# Altium PCB robot.PcbDoc (part 8 of 13)
Units mm, origin at the board's own origin, x right, y up, seen from the top; angles counter-clockwise.
Board outline 97 x 68 mm, 2 copper layers (Top Layer, Bottom Layer); 163 components, 156 nets, 23258 pads, 60 vias.
Unrouted connection lines stored in the file: 298.
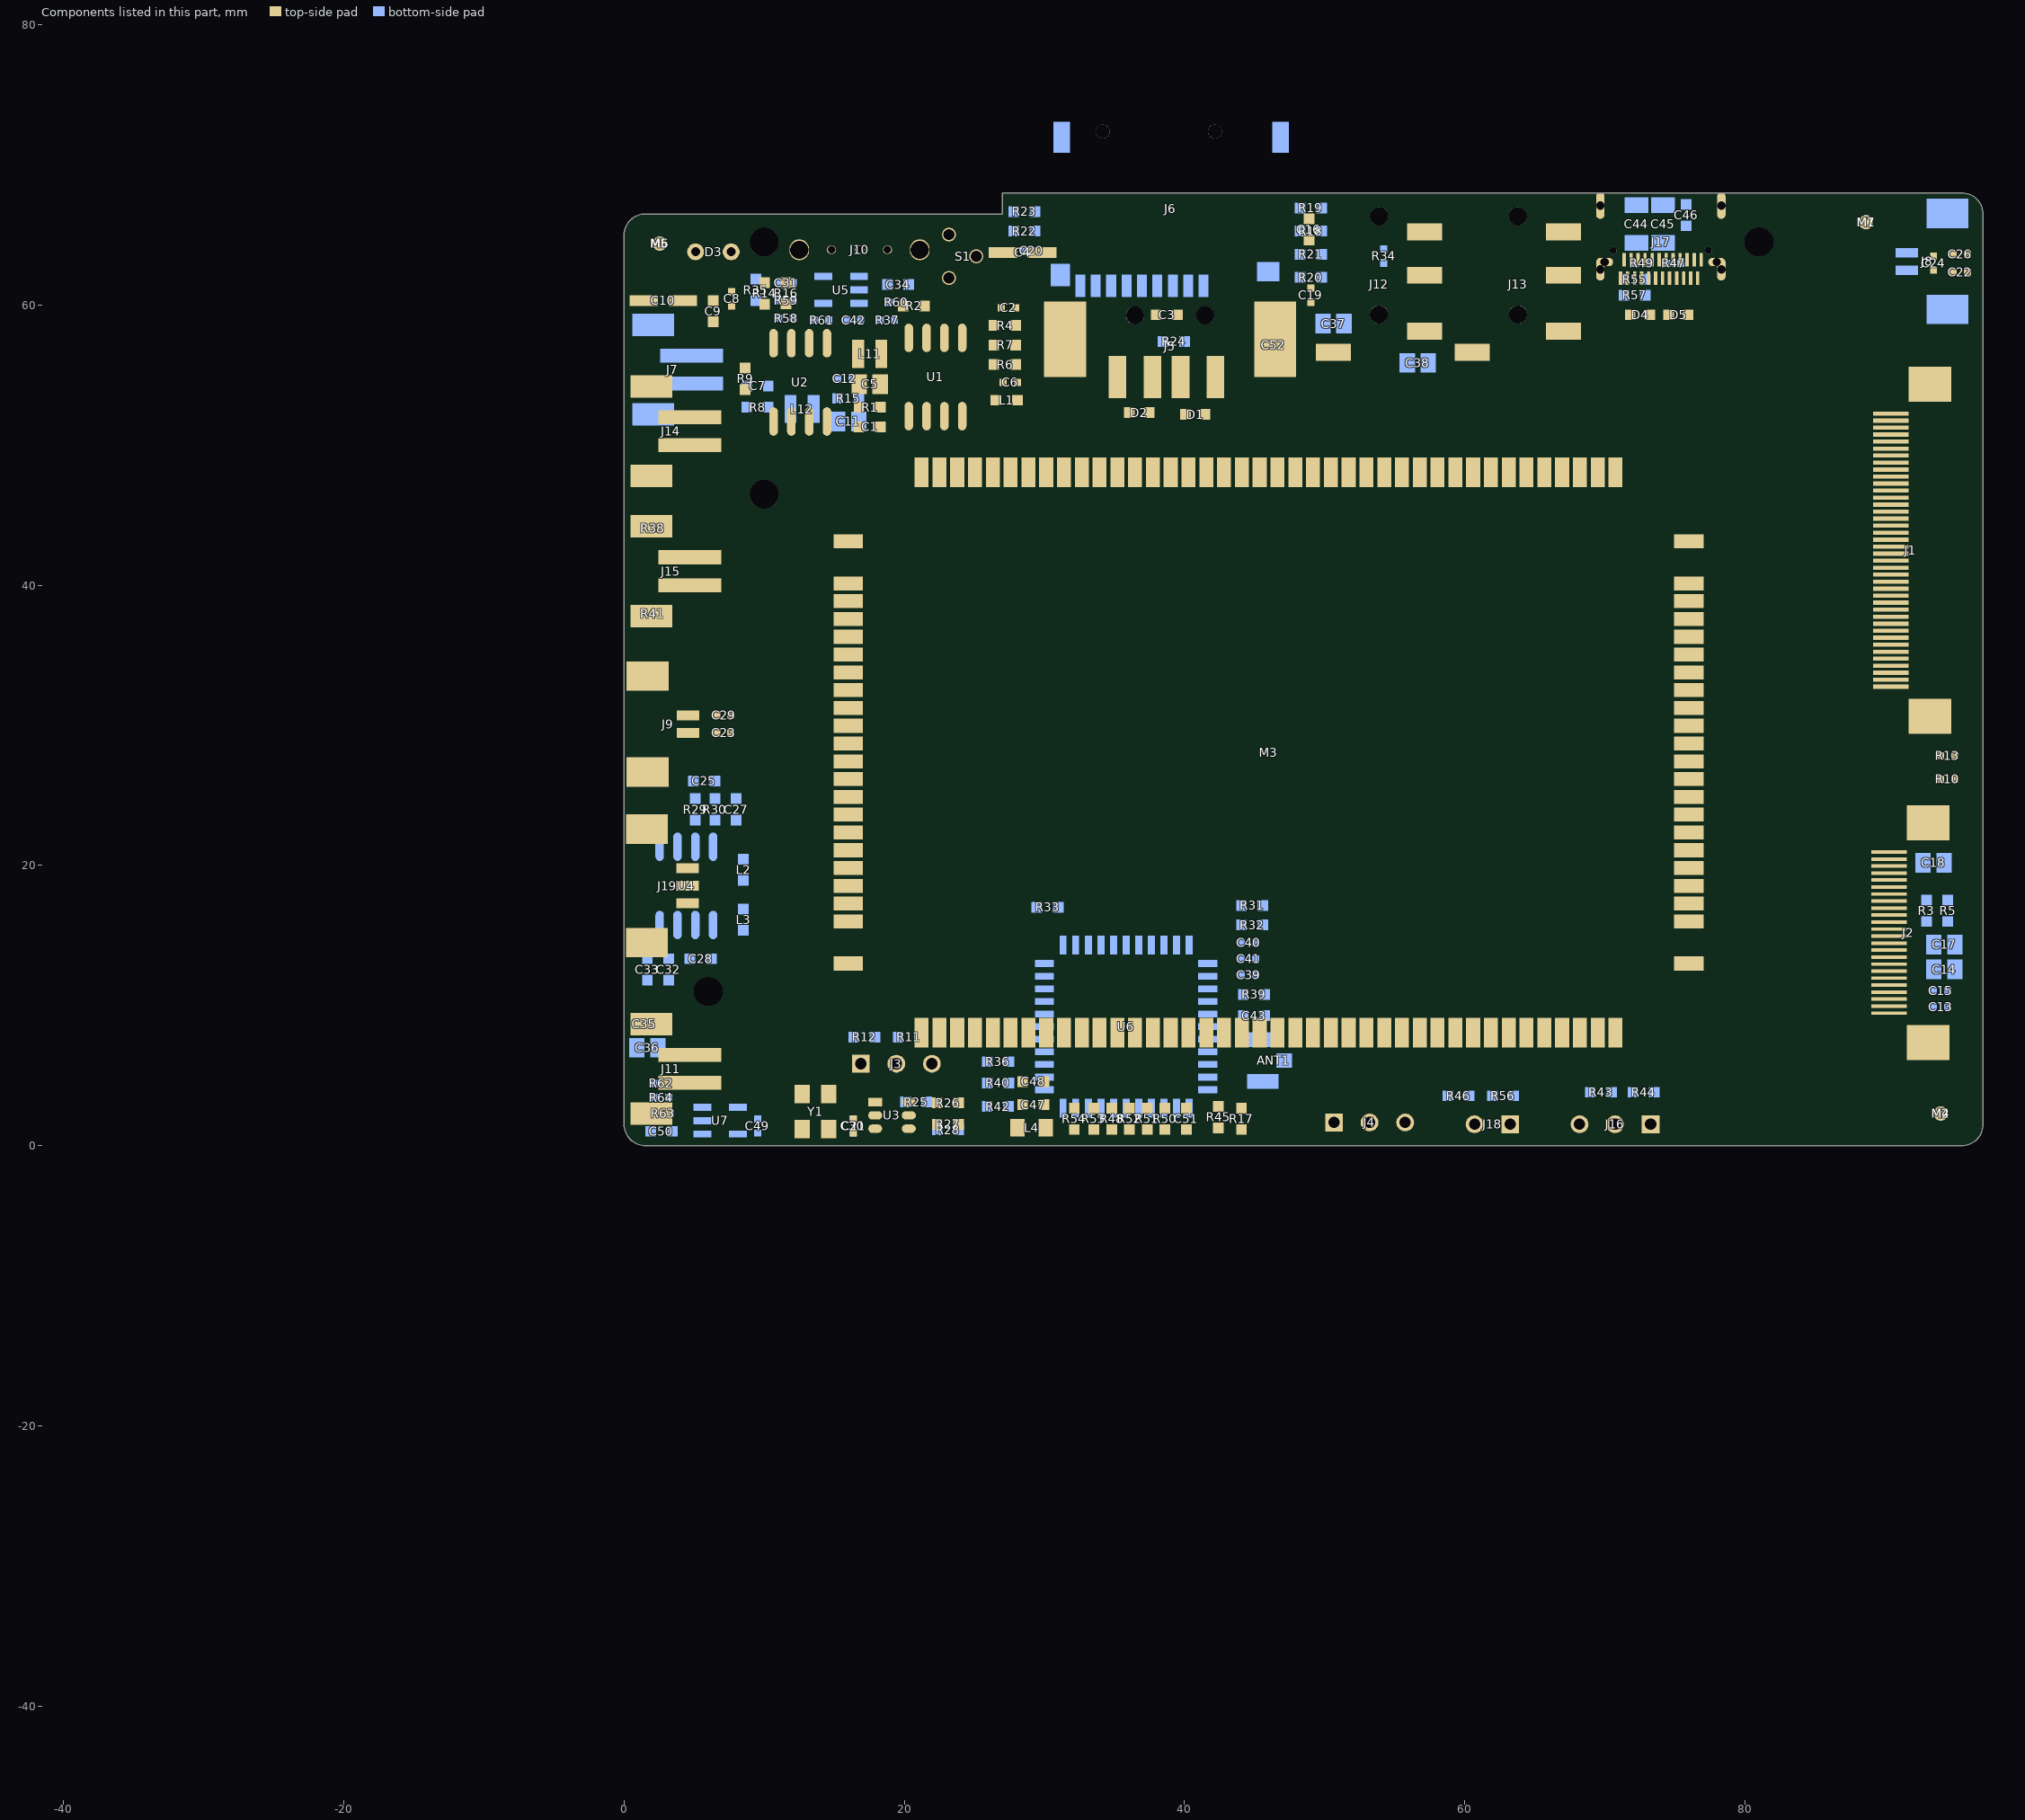
[diagram p8: the components of this part, seen from the top]

## Free pads (board coordinates) (continued)
  round 0 on Mech2: 1(-39.002,-44.112) 1(-39.002,-44.112) 1(-39.002,-44.112) 1(-39.002,-44.121) 1(-39.002,-44.121) 1(-39.002,-44.121) 1(-39.002,-44.121) 1(-39.002,-44.121) 1(-39.002,-44.121) 1(-39.002,-44.142) 1(-39.002,-44.142) 1(-39.002,-44.142) 1(-39.002,-44.142) 1(-39.002,-44.142) 1(-39.002,-44.142) 1(-39.002,-44.126) 1(-39.002,-44.126) 1(-39.002,-44.126) 1(-39.002,-44.126) 1(-39.002,-44.126) 1(-39.002,-44.126) 1(-39.002,-44.126) 1(-39.002,-44.126) 1(-39.002,-44.126) 1(-39.002,-44.126) 1(-39.002,-44.126) 1(-39.002,-44.126) 1(-39.001,-44.117) 1(-39.001,-44.117) 1(-39.001,-44.117) 1(-39.001,-44.112) 1(-39.001,-44.112) 1(-39.001,-44.112) 1(-39.001,-44.112) 1(-39.001,-44.112) 1(-39.001,-44.112) 1(-39.001,-44.097) 1(-39.001,-44.097) 1(-39.001,-44.097) 1(-39.001,-44.097) 1(-39.001,-44.097) 1(-39.001,-44.097) 1(-39.001,-44.112) 1(-39.001,-44.112) 1(-39.001,-44.112) 1(-39.001,-44.112) 1(-39.001,-44.112) 1(-39.001,-44.112) 1(-39.001,-44.143) 1(-39.001,-44.143) 1(-39.001,-44.143) 1(-39.001,-44.143) 1(-39.001,-44.143) 1(-39.001,-44.143) 1(-39.001,-44.143) 1(-39.001,-44.143) 1(-39.001,-44.143) 1(-39.001,-44.143) 1(-39.001,-44.143) 1(-39.001,-44.143) 1(-39.001,-44.128) 1(-39.001,-44.128) 1(-39.001,-44.128) 1(-39.001,-44.126) 1(-39.001,-44.126) 1(-39.001,-44.126) 1(-39.001,-44.126) 1(-39.001,-44.126) 1(-39.001,-44.126) 1(-39.001,-44.138) 1(-39.001,-44.138) 1(-39.001,-44.138) 1(-39.001,-44.118) 1(-39.001,-44.118) 1(-39.001,-44.118) 1(-39.001,-44.118) 1(-39.001,-44.118) 1(-39.001,-44.118) 1(-39.001,-44.141) 1(-39.001,-44.141) 1(-39.001,-44.141) 1(-39.001,-44.141) 1(-39.001,-44.141) 1(-39.001,-44.141) 1(-39.001,-44.129) 1(-39.001,-44.129) 1(-39.001,-44.129) 1(-39.001,-44.14) 1(-39.001,-44.14) 1(-39.001,-44.14) 1(-39.001,-44.112) 1(-39.001,-44.112) 1(-39.001,-44.112) 1(-39.001,-44.112) 1(-39.001,-44.112) 1(-39.001,-44.112) 1(-39.001,-44.112) 1(-39.001,-44.112) 1(-39.001,-44.112) 1(-39.001,-44.112) 1(-39.001,-44.112) 1(-39.001,-44.112) 1(-39.001,-44.118) 1(-39.001,-44.118) 1(-39.001,-44.118) 1(-39.001,-44.112) 1(-39.001,-44.112) 1(-39.001,-44.112) 1(-39.001,-44.112) 1(-39.001,-44.112) 1(-39.001,-44.112) 1(-39.001,-44.103) 1(-39.001,-44.103) 1(-39.001,-44.103) 1(-39.001,-44.115) 1(-39.001,-44.115) 1(-39.001,-44.115) 1(-39.001,-44.115) 1(-39.001,-44.115) 1(-39.001,-44.115) 1(-39.001,-44.115) 1(-39.001,-44.115) 1(-39.001,-44.115) 1(-39.001,-44.114) 1(-39.001,-44.114) 1(-39.001,-44.114) 1(-39.001,-44.111) 1(-39.001,-44.111) 1(-39.001,-44.111) 1(-39.001,-44.111) 1(-39.001,-44.111) 1(-39.001,-44.111) 1(-39.001,-44.142) 1(-39.001,-44.142) 1(-39.001,-44.142) 1(-39.001,-44.122) 1(-39.001,-44.122) 1(-39.001,-44.122) 1(-39.001,-44.122) 1(-39.001,-44.122) 1(-39.001,-44.122) 1(-39.001,-44.12) 1(-39.001,-44.12) 1(-39.001,-44.12) 1(-39.001,-44.098) 1(-39.001,-44.098) 1(-39.001,-44.098) 1(-39.001,-44.097) 1(-39.001,-44.097) 1(-39.001,-44.097) 1(-39.001,-44.097) 1(-39.001,-44.097) 1(-39.001,-44.097) 1(-39.001,-44.111) 1(-39.001,-44.111) 1(-39.001,-44.111) 1(-39.001,-44.111) 1(-39.001,-44.111) 1(-39.001,-44.111) 1(-39.001,-44.131) 1(-39.001,-44.131) 1(-39.001,-44.131) 1(-39.001,-44.113) 1(-39.001,-44.113) 1(-39.001,-44.113) 1(-39.001,-44.113) 1(-39.001,-44.113) 1(-39.001,-44.113) 1(-39.001,-44.119) 1(-39.001,-44.119) 1(-39.001,-44.119) 1(-39.001,-44.119) 1(-39.001,-44.119) 1(-39.001,-44.119) 1(-39.001,-44.143) 1(-39.001,-44.143) 1(-39.001,-44.143) 1(-39.001,-44.143) 1(-39.001,-44.143) 1(-39.001,-44.143) 1(-39.001,-44.116) 1(-39.001,-44.116) 1(-39.001,-44.116) 1(-39.001,-44.116) 1(-39.001,-44.116) 1(-39.001,-44.116) 1(-39.001,-44.111) 1(-39.001,-44.111) 1(-39.001,-44.111) 1(-39.001,-44.111) 1(-39.001,-44.111) 1(-39.001,-44.111) 1(-39.001,-44.11) 1(-39.001,-44.11) 1(-39.001,-44.11) 1(-39.001,-44.11) 1(-39.001,-44.11) 1(-39.001,-44.11) 1(-39,-44.119) 1(-39,-44.119) 1(-39,-44.119) 1(-39,-44.119) 1(-39,-44.119) 1(-39,-44.119) 1(-39,-44.118) 1(-39,-44.118) 1(-39,-44.118) 1(-39,-44.118) 1(-39,-44.118) 1(-39,-44.118) 1(-39,-44.117) 1(-39,-44.117) 1(-39,-44.117) 1(-39,-44.117) 1(-39,-44.117) 1(-39,-44.117) 1(-39,-44.11) 1(-39,-44.11) 1(-39,-44.11) 1(-39,-44.11) 1(-39,-44.11) 1(-39,-44.11) 1(-39,-44.127) 1(-39,-44.127) 1(-39,-44.127) 1(-39,-44.122) 1(-39,-44.122) 1(-39,-44.122) 1(-39,-44.122) 1(-39,-44.122) 1(-39,-44.122) 1(-39,-44.151) 1(-39,-44.151) 1(-39,-44.151) 1(-39,-44.12) 1(-39,-44.12) 1(-39,-44.12) 1(-39,-44.136) 1(-39,-44.136) 1(-39,-44.136) 1(-39,-44.136) 1(-39,-44.136) 1(-39,-44.136) 1(-39,-44.109) 1(-39,-44.109) 1(-39,-44.109) 1(-39,-44.109) 1(-39,-44.109) 1(-39,-44.109) 1(-39,-44.131) 1(-39,-44.131) 1(-39,-44.131) 1(-39,-44.131) 1(-39,-44.131) 1(-39,-44.131) 1(-39,-44.129) 1(-39,-44.129) 1(-39,-44.129) 1(-39,-44.129) 1(-39,-44.129) 1(-39,-44.129) 1(-39,-44.113) 1(-39,-44.113) 1(-39,-44.113) 1(-39,-44.113) 1(-39,-44.113) 1(-39,-44.113) 1(-39,-44.105) 1(-39,-44.105) 1(-39,-44.105) 1(-39,-44.105) 1(-39,-44.105) 1(-39,-44.105) 1(-39,-44.103) 1(-39,-44.103) 1(-39,-44.103) 1(-39,-44.103) 1(-39,-44.103) 1(-39,-44.103) 1(-39,-44.136) 1(-39,-44.136) 1(-39,-44.136) 1(-39,-44.109) 1(-39,-44.109) 1(-39,-44.109) 1(-39,-44.109) 1(-39,-44.109) 1(-39,-44.109) 1(-39,-44.095) 1(-39,-44.095) 1(-39,-44.095) 1(-39,-44.095) 1(-39,-44.095) 1(-39,-44.095) 1(-39,-44.108) 1(-39,-44.108) 1(-39,-44.108) 1(-39,-44.108) 1(-39,-44.108) 1(-39,-44.108) 1(-39,-44.103) 1(-39,-44.103) 1(-39,-44.103) 1(-39,-44.103) 1(-39,-44.103) 1(-39,-44.103) 1(-39,-44.102) 1(-39,-44.102) 1(-39,-44.102) 1(-39,-44.102) 1(-39,-44.102) 1(-39,-44.102) 1(-39,-44.102) 1(-39,-44.102) 1(-39,-44.102) 1(-39,-44.102) 1(-39,-44.102) 1(-39,-44.102) 1(-39,-44.098) 1(-39,-44.098) 1(-39,-44.098) 1(-39,-44.116) 1(-39,-44.116) 1(-39,-44.116) 1(-39,-44.116) 1(-39,-44.116) 1(-39,-44.116) 1(-39,-44.115) 1(-39,-44.115) 1(-39,-44.115) 1(-39,-44.114) 1(-39,-44.114) 1(-39,-44.114) 1(-39,-44.114) 1(-39,-44.114) 1(-39,-44.114) 1(-39,-44.125) 1(-39,-44.125) 1(-39,-44.125) 1(-39,-44.123) 1(-39,-44.123) 1(-39,-44.123) 1(-39,-44.123) 1(-39,-44.123) 1(-39,-44.123) 1(-39,-44.123) 1(-39,-44.123) 1(-39,-44.123) 1(-39,-44.123) 1(-39,-44.123) 1(-39,-44.123) 1(-39,-44.121) 1(-39,-44.121) 1(-39,-44.121) 1(-39,-44.121) 1(-39,-44.121) 1(-39,-44.121) 1(-39,-44.118) 1(-39,-44.118) 1(-39,-44.118) 1(-39,-44.118) 1(-39,-44.118) 1(-39,-44.118) 1(-39,-44.115) 1(-39,-44.115) 1(-39,-44.115) 1(-39,-44.108) 1(-39,-44.108) 1(-39,-44.108) 1(-39,-44.108) 1(-39,-44.108) 1(-39,-44.108) 1(-39,-44.105) 1(-39,-44.105) 1(-39,-44.105) 1(-39,-44.105) 1(-39,-44.105) 1(-39,-44.105) 1(-39,-44.104) 1(-39,-44.104) 1(-39,-44.104) 1(-39,-44.104) 1(-39,-44.104) 1(-39,-44.104) 1(-39,-44.108) 1(-39,-44.108) 1(-39,-44.108) 1(-39,-44.108) 1(-39,-44.108) 1(-39,-44.108) 1(-39,-44.143) 1(-39,-44.143) 1(-39,-44.143) 1(-38.999,-44.111) 1(-38.999,-44.111) 1(-38.999,-44.111) 1(-38.999,-44.111) 1(-38.999,-44.111) 1(-38.999,-44.111) 1(-38.999,-44.112) 1(-38.999,-44.112) 1(-38.999,-44.112) 1(-38.999,-44.112) 1(-38.999,-44.112) 1(-38.999,-44.112) 1(-38.999,-44.107) 1(-38.999,-44.107) 1(-38.999,-44.107) 1(-38.999,-44.107) 1(-38.999,-44.107) 1(-38.999,-44.107) 1(-38.999,-44.135) 1(-38.999,-44.135) 1(-38.999,-44.135) 1(-38.999,-44.135) 1(-38.999,-44.135) 1(-38.999,-44.135) 1(-38.999,-44.139) 1(-38.999,-44.139) 1(-38.999,-44.139) 1(-38.999,-44.139) 1(-38.999,-44.139) 1(-38.999,-44.139) 1(-38.999,-44.132) 1(-38.999,-44.132) 1(-38.999,-44.132) 1(-38.999,-44.132) 1(-38.999,-44.132) 1(-38.999,-44.132) 1(-38.999,-44.137) 1(-38.999,-44.137) 1(-38.999,-44.137) 1(-38.999,-44.137) 1(-38.999,-44.137) 1(-38.999,-44.137) 1(-38.999,-44.107) 1(-38.999,-44.107) 1(-38.999,-44.107) 1(-38.999,-44.107) 1(-38.999,-44.107) 1(-38.999,-44.107) 1(-38.999,-44.15) 1(-38.999,-44.15) 1(-38.999,-44.15) 1(-38.999,-44.15) 1(-38.999,-44.15) 1(-38.999,-44.15) 1(-38.999,-44.113) 1(-38.999,-44.113) 1(-38.999,-44.113) 1(-38.999,-44.113) 1(-38.999,-44.113) 1(-38.999,-44.113) 1(-38.999,-44.118) 1(-38.999,-44.118) 1(-38.999,-44.118) 1(-38.999,-44.116) 1(-38.999,-44.116) 1(-38.999,-44.116) 1(-38.999,-44.116) 1(-38.999,-44.116) 1(-38.999,-44.116) 1(-38.999,-44.116) 1(-38.999,-44.116) 1(-38.999,-44.116) 1(-38.999,-44.115) 1(-38.999,-44.115) 1(-38.999,-44.115) 1(-38.999,-44.115) 1(-38.999,-44.115) 1(-38.999,-44.115) 1(-38.999,-44.106) 1(-38.999,-44.106) 1(-38.999,-44.106) 1(-38.999,-44.106) 1(-38.999,-44.106) 1(-38.999,-44.106) 1(-38.999,-44.15) 1(-38.999,-44.15) 1(-38.999,-44.15) 1(-38.999,-44.15) 1(-38.999,-44.15) 1(-38.999,-44.15) 1(-38.999,-44.106) 1(-38.999,-44.106) 1(-38.999,-44.106) 1(-38.999,-44.106) 1(-38.999,-44.106) 1(-38.999,-44.106) 1(-38.999,-44.115) 1(-38.999,-44.115) 1(-38.999,-44.115) 1(-38.999,-44.12) 1(-38.999,-44.12) 1(-38.999,-44.12) 1(-38.999,-44.103) 1(-38.999,-44.103) 1(-38.999,-44.103) 1(-38.999,-44.103) 1(-38.999,-44.103) 1(-38.999,-44.103) 1(-38.999,-44.098) 1(-38.999,-44.098) 1(-38.999,-44.098) 1(-38.999,-44.149) 1(-38.999,-44.149) 1(-38.999,-44.149) 1(-38.999,-44.149) 1(-38.999,-44.149) 1(-38.999,-44.149) 1(-38.999,-44.143) 1(-38.999,-44.143) 1(-38.999,-44.143) 1(-38.999,-44.143) 1(-38.999,-44.143) 1(-38.999,-44.143) 1(-38.999,-44.141) 1(-38.999,-44.141) 1(-38.999,-44.141) 1(-38.999,-44.141) 1(-38.999,-44.141) 1(-38.999,-44.141) 1(-38.999,-44.13) 1(-38.999,-44.13) 1(-38.999,-44.13) 1(-38.999,-44.119) 1(-38.999,-44.119) 1(-38.999,-44.119) 1(-38.999,-44.103) 1(-38.999,-44.103) 1(-38.999,-44.103) 1(-38.999,-44.103) 1(-38.999,-44.103) 1(-38.999,-44.103) 1(-38.999,-44.106) 1(-38.999,-44.106) 1(-38.999,-44.106) 1(-38.999,-44.106) 1(-38.999,-44.106) 1(-38.999,-44.106) 1(-38.999,-44.139) 1(-38.999,-44.139) 1(-38.999,-44.139) 1(-38.999,-44.139) 1(-38.999,-44.139) 1(-38.999,-44.139) 1(-38.999,-44.131) 1(-38.999,-44.131) 1(-38.999,-44.131) 1(-38.999,-44.131) 1(-38.999,-44.131) 1(-38.999,-44.131) 1(-38.999,-44.131) 1(-38.999,-44.131) 1(-38.999,-44.131) 1(-38.999,-44.149) 1(-38.999,-44.149) 1(-38.999,-44.149) 1(-38.999,-44.149) 1(-38.999,-44.149) 1(-38.999,-44.149) 1(-38.999,-44.133) 1(-38.999,-44.133) 1(-38.999,-44.133) 1(-38.999,-44.133) 1(-38.999,-44.133) 1(-38.999,-44.133) 1(-38.999,-44.111) 1(-38.999,-44.111) 1(-38.999,-44.111) 1(-38.999,-44.111) 1(-38.999,-44.111) 1(-38.999,-44.111) 1(-38.999,-44.143) 1(-38.999,-44.143) 1(-38.999,-44.143) 1(-38.999,-44.143) 1(-38.999,-44.143) 1(-38.999,-44.143) 1(-38.999,-44.143) 1(-38.999,-44.143) 1(-38.999,-44.143) 1(-38.999,-44.143) 1(-38.999,-44.143) 1(-38.999,-44.143) 1(-38.999,-44.139) 1(-38.999,-44.139) 1(-38.999,-44.139) 1(-38.999,-44.139) 1(-38.999,-44.139) 1(-38.999,-44.139) 1(-38.999,-44.137) 1(-38.999,-44.137) 1(-38.999,-44.137) 1(-38.999,-44.137) 1(-38.999,-44.137) 1(-38.999,-44.137) 1(-38.999,-44.136) 1(-38.999,-44.136) 1(-38.999,-44.136) 1(-38.999,-44.134) 1(-38.999,-44.134) 1(-38.999,-44.134) 1(-38.999,-44.134) 1(-38.999,-44.134) 1(-38.999,-44.134) 1(-38.999,-44.133) 1(-38.999,-44.133) 1(-38.999,-44.133) 1(-38.999,-44.133) 1(-38.999,-44.133) 1(-38.999,-44.133) 1(-38.999,-44.137) 1(-38.999,-44.137) 1(-38.999,-44.137) 1(-38.999,-44.137) 1(-38.999,-44.137) 1(-38.999,-44.137) 1(-38.998,-44.149) 1(-38.998,-44.149) 1(-38.998,-44.149) 1(-38.998,-44.149) 1(-38.998,-44.149) 1(-38.998,-44.149) 1(-38.998,-44.141) 1(-38.998,-44.141) 1(-38.998,-44.141) 1(-38.998,-44.141) 1(-38.998,-44.141) 1(-38.998,-44.141) 1(-38.998,-44.14) 1(-38.998,-44.14) 1(-38.998,-44.14) 1(-38.998,-44.14) 1(-38.998,-44.14) 1(-38.998,-44.14) 1(-38.998,-44.122) 1(-38.998,-44.122) 1(-38.998,-44.122) 1(-38.998,-44.122) 1(-38.998,-44.122) 1(-38.998,-44.122) 1(-38.998,-44.118) 1(-38.998,-44.118) 1(-38.998,-44.118) 1(-38.998,-44.116) 1(-38.998,-44.116) 1(-38.998,-44.116) 1(-38.998,-44.116) 1(-38.998,-44.116) 1(-38.998,-44.116) 1(-38.998,-44.115) 1(-38.998,-44.115) 1(-38.998,-44.115) 1(-38.998,-44.113) 1(-38.998,-44.113) 1(-38.998,-44.113) 1(-38.998,-44.113) 1(-38.998,-44.113) 1(-38.998,-44.113) 1(-38.998,-44.147) 1(-38.998,-44.147) 1(-38.998,-44.147) 1(-38.998,-44.147) 1(-38.998,-44.147) 1(-38.998,-44.147) 1(-38.998,-44.101) 1(-38.998,-44.101) 1(-38.998,-44.101) 1(-38.998,-44.101) 1(-38.998,-44.101) 1(-38.998,-44.101) 1(-38.998,-44.096) 1(-38.998,-44.096) 1(-38.998,-44.096) 1(-38.998,-44.096) 1(-38.998,-44.096) 1(-38.998,-44.096) 1(-38.998,-44.148) 1(-38.998,-44.148) 1(-38.998,-44.148) 1(-38.998,-44.148) 1(-38.998,-44.148) 1(-38.998,-44.148) 1(-38.998,-44.111) 1(-38.998,-44.111) 1(-38.998,-44.111) 1(-38.998,-44.111) 1(-38.998,-44.111) 1(-38.998,-44.111) 1(-38.998,-44.123) 1(-38.998,-44.123) 1(-38.998,-44.123) 1(-38.998,-44.148) 1(-38.998,-44.148) 1(-38.998,-44.148) 1(-38.998,-44.148) 1(-38.998,-44.148) 1(-38.998,-44.148) 1(-38.998,-44.134) 1(-38.998,-44.134) 1(-38.998,-44.134) 1(-38.998,-44.134) 1(-38.998,-44.134) 1(-38.998,-44.134) 1(-38.998,-44.142) 1(-38.998,-44.142) 1(-38.998,-44.142) 1(-38.998,-44.142) 1(-38.998,-44.142) 1(-38.998,-44.142) 1(-38.998,-44.103) 1(-38.998,-44.103) 1(-38.998,-44.103) 1(-38.998,-44.103) 1(-38.998,-44.103) 1(-38.998,-44.103) 1(-38.998,-44.102) 1(-38.998,-44.102) 1(-38.998,-44.102) 1(-38.998,-44.102) 1(-38.998,-44.102) 1(-38.998,-44.102) 1(-38.998,-44.147) 1(-38.998,-44.147) 1(-38.998,-44.147) 1(-38.998,-44.147) 1(-38.998,-44.147) 1(-38.998,-44.147) 1(-38.998,-44.111) 1(-38.998,-44.111) 1(-38.998,-44.111) 1(-38.998,-44.111) 1(-38.998,-44.111) 1(-38.998,-44.111) 1(-38.998,-44.133) 1(-38.998,-44.133) 1(-38.998,-44.133) 1(-38.998,-44.133) 1(-38.998,-44.133) 1(-38.998,-44.133) 1(-38.998,-44.136) 1(-38.998,-44.136) 1(-38.998,-44.136) 1(-38.998,-44.136) 1(-38.998,-44.136) 1(-38.998,-44.136) 1(-38.998,-44.128) 1(-38.998,-44.128) 1(-38.998,-44.128) 1(-38.998,-44.104) 1(-38.998,-44.104) 1(-38.998,-44.104) 1(-38.998,-44.104) 1(-38.998,-44.104) 1(-38.998,-44.104) 1(-38.998,-44.127) 1(-38.998,-44.127) 1(-38.998,-44.127) 1(-38.998,-44.098) 1(-38.998,-44.098) 1(-38.998,-44.098) 1(-38.998,-44.097) 1(-38.998,-44.097) 1(-38.998,-44.097) 1(-38.998,-44.097) 1(-38.998,-44.097) 1(-38.998,-44.097) 1(-38.998,-44.121) 1(-38.998,-44.121) 1(-38.998,-44.121) 1(-38.998,-44.121) 1(-38.998,-44.121) 1(-38.998,-44.121) 1(-38.998,-44.118) 1(-38.998,-44.118) 1(-38.998,-44.118) 1(-38.998,-44.118) 1(-38.998,-44.118) 1(-38.998,-44.118) 1(-38.998,-44.117) 1(-38.998,-44.117) 1(-38.998,-44.117) 1(-38.998,-44.117) 1(-38.998,-44.117) 1(-38.998,-44.117) 1(-38.998,-44.122) 1(-38.998,-44.122) 1(-38.998,-44.122) 1(-38.998,-44.122) 1(-38.998,-44.122) 1(-38.998,-44.122) 1(-38.998,-44.139) 1(-38.998,-44.139) 1(-38.998,-44.139) 1(-38.998,-44.139) 1(-38.998,-44.139) 1(-38.998,-44.139) 1(-38.998,-44.141) 1(-38.998,-44.141) 1(-38.998,-44.141) 1(-38.998,-44.141) 1(-38.998,-44.141) 1(-38.998,-44.141) 1(-38.998,-44.14) 1(-38.998,-44.14) 1(-38.998,-44.14) 1(-38.998,-44.14) 1(-38.998,-44.14) 1(-38.998,-44.14) 1(-38.998,-44.112) 1(-38.998,-44.112) 1(-38.998,-44.112) 1(-38.998,-44.112) 1(-38.998,-44.112) 1(-38.998,-44.112) 1(-38.998,-44.134) 1(-38.998,-44.134) 1(-38.998,-44.134) 1(-38.998,-44.134) 1(-38.998,-44.134) 1(-38.998,-44.134) 1(-38.998,-44.133) 1(-38.998,-44.133) 1(-38.998,-44.133) 1(-38.998,-44.133) 1(-38.998,-44.133) 1(-38.998,-44.133) 1(-38.997,-44.14) 1(-38.997,-44.14) 1(-38.997,-44.14) 1(-38.997,-44.14) 1(-38.997,-44.14) 1(-38.997,-44.14) 1(-38.997,-44.115) 1(-38.997,-44.115) 1(-38.997,-44.115) 1(-38.997,-44.115) 1(-38.997,-44.115) 1(-38.997,-44.115) 1(-38.997,-44.136) 1(-38.997,-44.136) 1(-38.997,-44.136) 1(-38.997,-44.136) 1(-38.997,-44.136) 1(-38.997,-44.136) 1(-38.997,-44.111) 1(-38.997,-44.111) 1(-38.997,-44.111) 1(-38.997,-44.111) 1(-38.997,-44.111) 1(-38.997,-44.111) 1(-38.997,-44.104) 1(-38.997,-44.104) 1(-38.997,-44.104) 1(-38.997,-44.103) 1(-38.997,-44.103) 1(-38.997,-44.103) 1(-38.997,-44.102) 1(-38.997,-44.102) 1(-38.997,-44.102) 1(-38.997,-44.102) 1(-38.997,-44.102) 1(-38.997,-44.102) 1(-38.997,-44.139) 1(-38.997,-44.139) 1(-38.997,-44.139) 1(-38.997,-44.139) 1(-38.997,-44.139) 1(-38.997,-44.139) 1(-38.997,-44.122) 1(-38.997,-44.122) 1(-38.997,-44.122) 1(-38.997,-44.122) 1(-38.997,-44.122) 1(-38.997,-44.122) 1(-38.997,-44.121) 1(-38.997,-44.121) 1(-38.997,-44.121) 1(-38.997,-44.121) 1(-38.997,-44.121) 1(-38.997,-44.121) 1(-38.997,-44.135) 1(-38.997,-44.135) 1(-38.997,-44.135) 1(-38.997,-44.135) 1(-38.997,-44.135) 1(-38.997,-44.135) 1(-38.997,-44.138) 1(-38.997,-44.138) 1(-38.997,-44.138) 1(-38.997,-44.138) 1(-38.997,-44.138) 1(-38.997,-44.138) 1(-38.997,-44.118) 1(-38.997,-44.118) 1(-38.997,-44.118) 1(-38.997,-44.123) 1(-38.997,-44.123) 1(-38.997,-44.123) 1(-38.997,-44.116) 1(-38.997,-44.116) 1(-38.997,-44.116) 1(-38.997,-44.116) 1(-38.997,-44.116) 1(-38.997,-44.116) 1(-38.997,-44.133) 1(-38.997,-44.133) 1(-38.997,-44.133) 1(-38.997,-44.133) 1(-38.997,-44.133) 1(-38.997,-44.133) 1(-38.997,-44.096) 1(-38.997,-44.096) 1(-38.997,-44.096) 1(-38.997,-44.096) 1(-38.997,-44.096) 1(-38.997,-44.096) 1(-38.997,-44.135) 1(-38.997,-44.135) 1(-38.997,-44.135) 1(-38.997,-44.135) 1(-38.997,-44.135) 1(-38.997,-44.135) 1(-38.997,-44.115) 1(-38.997,-44.115) 1(-38.997,-44.115) 1(-38.997,-44.115) 1(-38.997,-44.115) 1(-38.997,-44.115) 1(-38.997,-44.113) 1(-38.997,-44.113) 1(-38.997,-44.113) 1(-38.997,-44.113) 1(-38.997,-44.113) 1(-38.997,-44.113) 1(-38.997,-44.111) 1(-38.997,-44.111) 1(-38.997,-44.111) 1(-38.997,-44.111) 1(-38.997,-44.111) 1(-38.997,-44.111) 1(-38.997,-44.143) 1(-38.997,-44.143) 1(-38.997,-44.143) 1(-38.997,-44.12) 1(-38.997,-44.12) 1(-38.997,-44.12) 1(-38.997,-44.118) 1(-38.997,-44.118) 1(-38.997,-44.118) 1(-38.997,-44.118) 1(-38.997,-44.118) 1(-38.997,-44.118) 1(-38.997,-44.101) 1(-38.997,-44.101) 1(-38.997,-44.101) 1(-38.997,-44.101) 1(-38.997,-44.101) 1(-38.997,-44.101) 1(-38.997,-44.098) 1(-38.997,-44.098) 1(-38.997,-44.098) 1(-38.997,-44.098) 1(-38.997,-44.098) 1(-38.997,-44.098) 1(-38.997,-44.097) 1(-38.997,-44.097) 1(-38.997,-44.097) 1(-38.997,-44.097) 1(-38.997,-44.097) 1(-38.997,-44.097) 1(-38.997,-44.143) 1(-38.997,-44.143) 1(-38.997,-44.143) 1(-38.997,-44.143) 1(-38.997,-44.143) 1(-38.997,-44.143) 1(-38.997,-44.104) 1(-38.997,-44.104) 1(-38.997,-44.104) 1(-38.997,-44.104) 1(-38.997,-44.104) 1(-38.997,-44.104) 1(-38.997,-44.122) 1(-38.997,-44.122) 1(-38.997,-44.122) 1(-38.997,-44.122) 1(-38.997,-44.122) 1(-38.997,-44.122) 1(-38.997,-44.121) 1(-38.997,-44.121) 1(-38.997,-44.121) 1(-38.997,-44.121) 1(-38.997,-44.121) 1(-38.997,-44.121) 1(-38.997,-44.117) 1(-38.997,-44.117) 1(-38.997,-44.117) 1(-38.996,-44.142) 1(-38.996,-44.142) 1(-38.996,-44.142) 1(-38.996,-44.142) 1(-38.996,-44.142) 1(-38.996,-44.142) 1(-38.996,-44.141) 1(-38.996,-44.141) 1(-38.996,-44.141) 1(-38.996,-44.14) 1(-38.996,-44.14) 1(-38.996,-44.14) 1(-38.996,-44.139) 1(-38.996,-44.139) 1(-38.996,-44.139) 1(-38.996,-44.138) 1(-38.996,-44.138) 1(-38.996,-44.138) 1(-38.996,-44.137) 1(-38.996,-44.137) 1(-38.996,-44.137) 1(-38.996,-44.136) 1(-38.996,-44.136) 1(-38.996,-44.136) 1(-38.996,-44.135) 1(-38.996,-44.135) 1(-38.996,-44.135) 1(-38.996,-44.135) 1(-38.996,-44.135) 1(-38.996,-44.135) 1(-38.996,-44.134) 1(-38.996,-44.134) 1(-38.996,-44.134) 1(-38.996,-44.133) 1(-38.996,-44.133) 1(-38.996,-44.133) 1(-38.996,-44.104) 1(-38.996,-44.104) 1(-38.996,-44.104) 1(-38.996,-44.104) 1(-38.996,-44.104) 1(-38.996,-44.104) 1(-38.996,-44.113) 1(-38.996,-44.113) 1(-38.996,-44.113) 1(-38.996,-44.113) 1(-38.996,-44.113) 1(-38.996,-44.113) 1(-38.996,-44.126) 1(-38.996,-44.126) 1(-38.996,-44.126) 1(-38.996,-44.126) 1(-38.996,-44.126) 1(-38.996,-44.126) 1(-38.996,-44.127) 1(-38.996,-44.127) 1(-38.996,-44.127) 1(-38.996,-44.119) 1(-38.996,-44.119) 1(-38.996,-44.119) 1(-38.996,-44.119) 1(-38.996,-44.119) 1(-38.996,-44.119) 1(-38.996,-44.096) 1(-38.996,-44.096) 1(-38.996,-44.096) 1(-38.996,-44.096) 1(-38.996,-44.096) 1(-38.996,-44.096) 1(-38.996,-44.104) 1(-38.996,-44.104) 1(-38.996,-44.104) 1(-38.996,-44.104) 1(-38.996,-44.104) 1(-38.996,-44.104) 1(-38.996,-44.103) 1(-38.996,-44.103) 1(-38.996,-44.103) 1(-38.996,-44.103) 1(-38.996,-44.103) 1(-38.996,-44.103) 1(-38.996,-44.103) 1(-38.996,-44.103) 1(-38.996,-44.103) 1(-38.996,-44.13) 1(-38.996,-44.13) 1(-38.996,-44.13) 1(-38.996,-44.143) 1(-38.996,-44.143) 1(-38.996,-44.143) 1(-38.996,-44.115) 1(-38.996,-44.115) 1(-38.996,-44.115) 1(-38.996,-44.115) 1(-38.996,-44.115) 1(-38.996,-44.115) 1(-38.996,-44.098) 1(-38.996,-44.098) 